# Altium PCB S7CAS-PLEIADES-CARTE-FILLE_P02.PcbDoc (part 1 of 3) (continued)
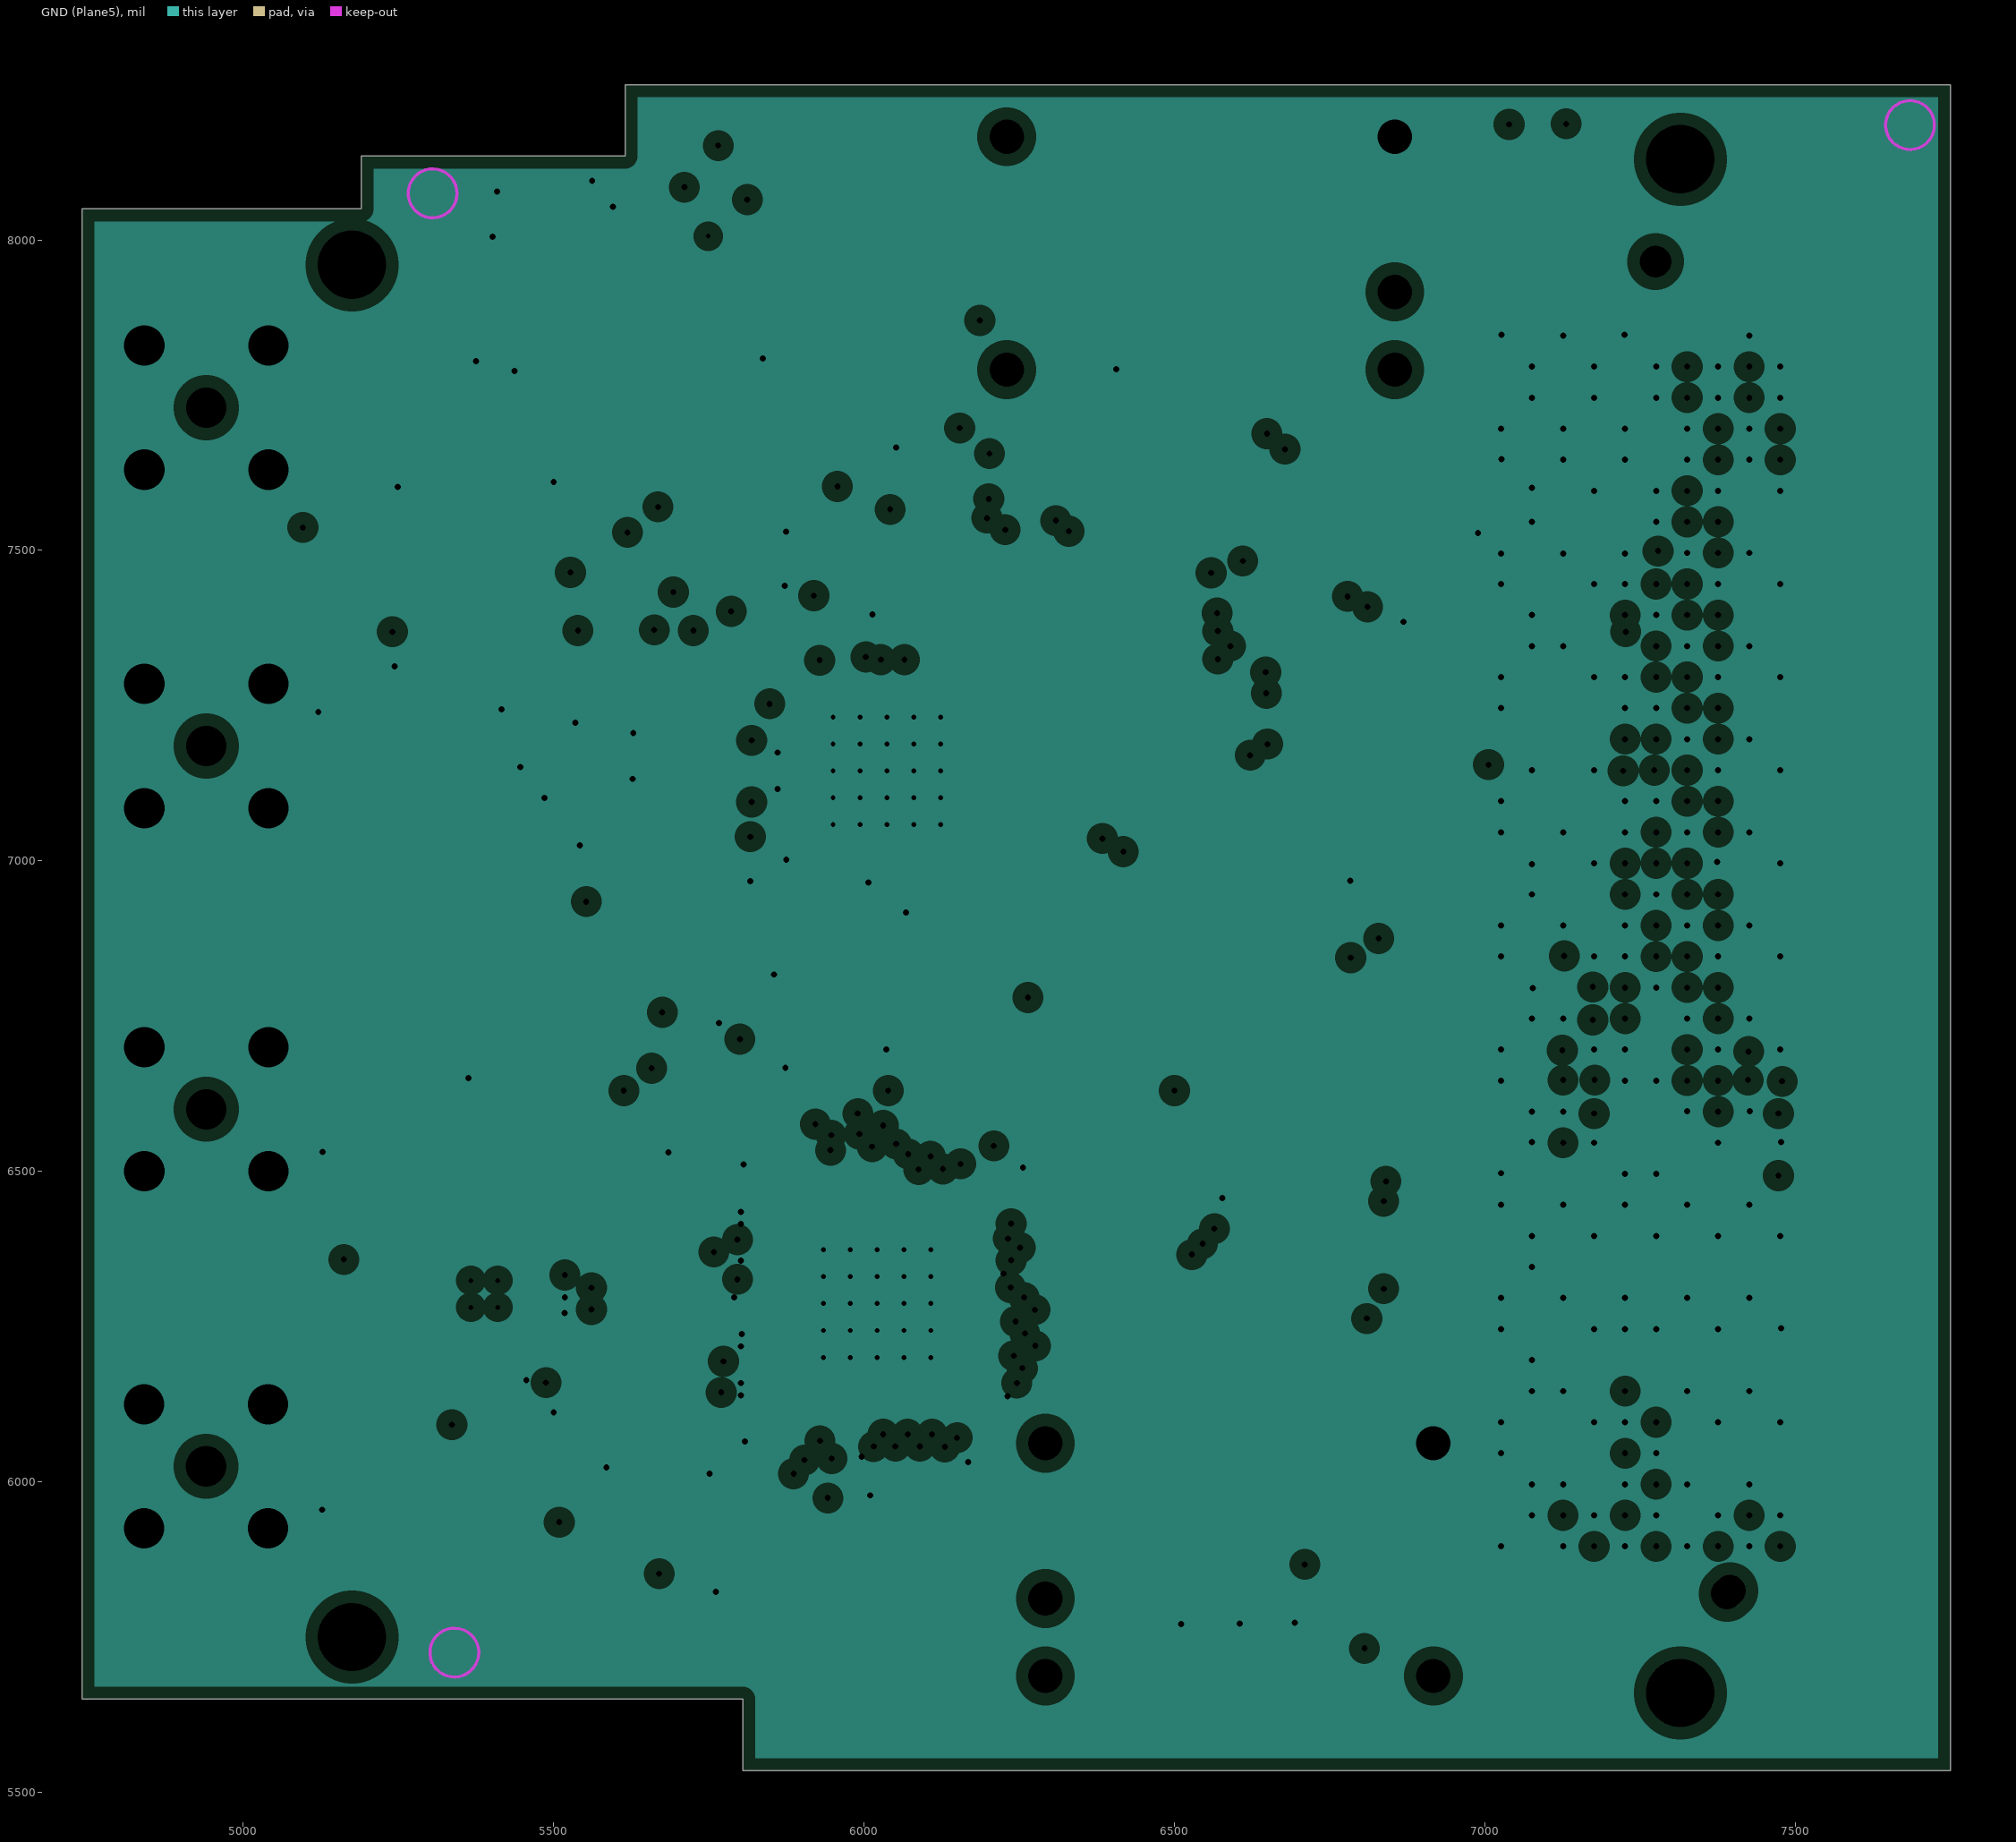
[diagram p7: GND (Plane5), clearances drawn from the general rule]
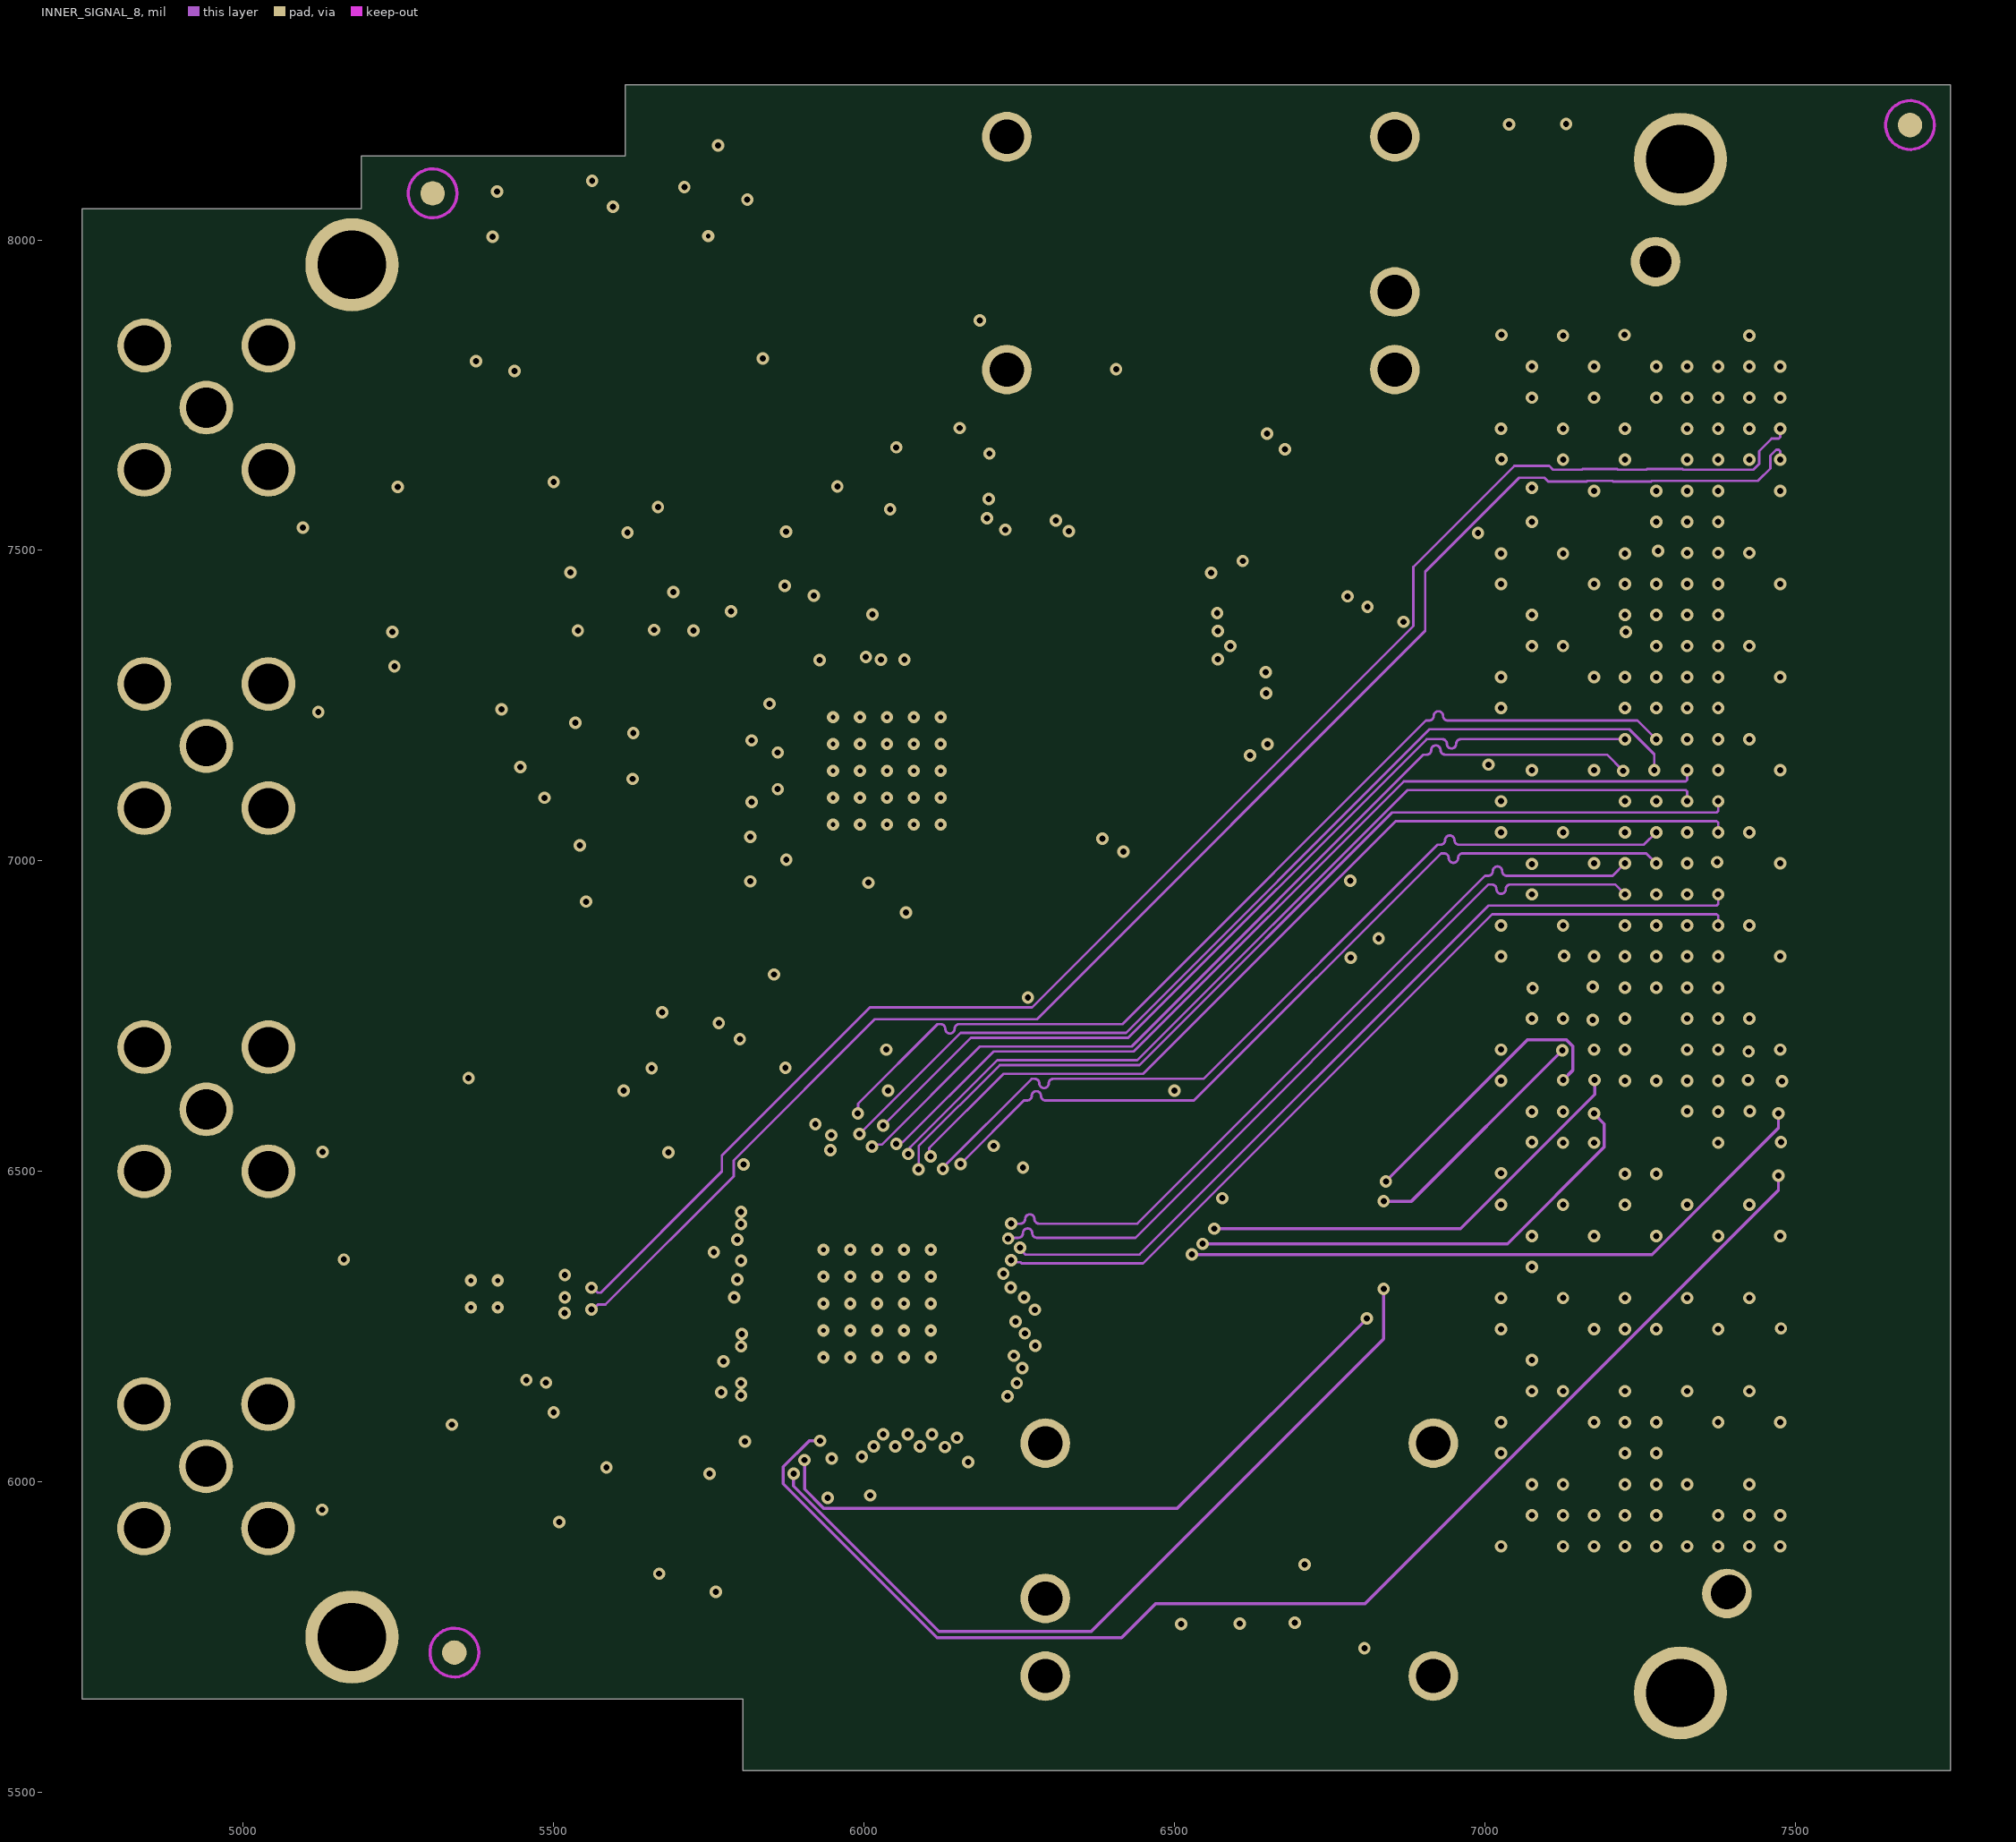
[diagram p8: INNER_SIGNAL_8]
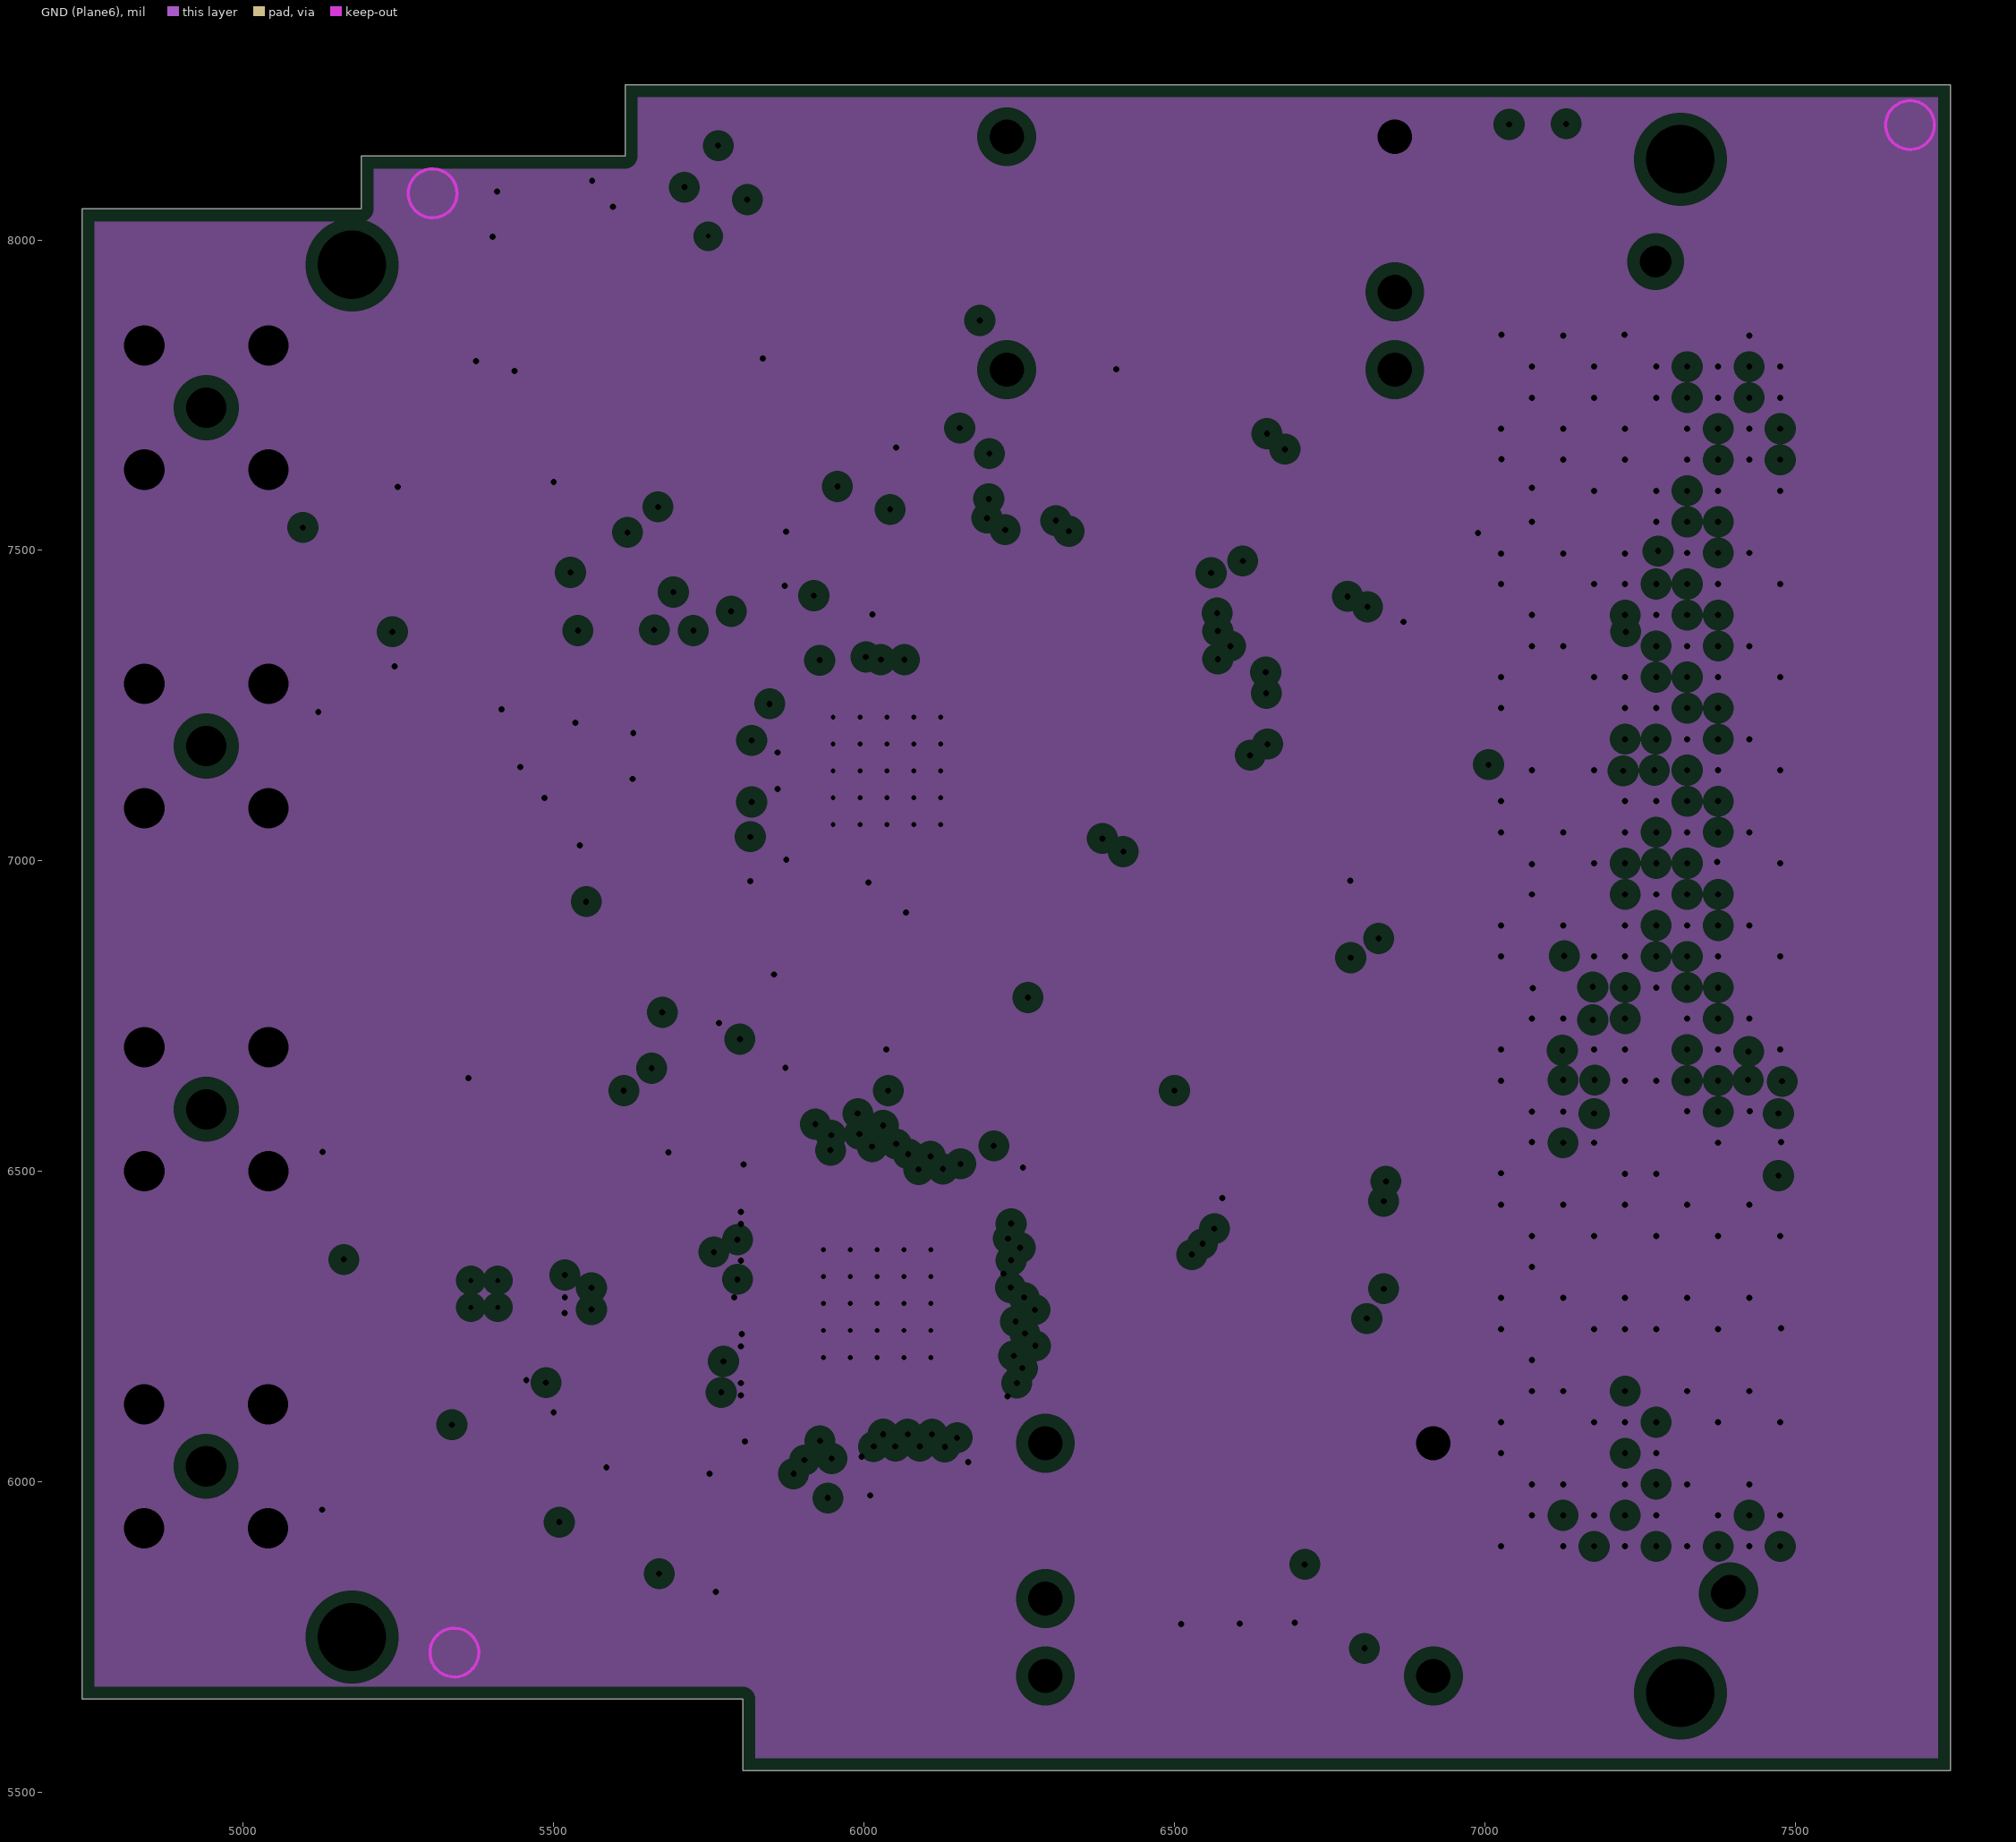
[diagram p9: GND (Plane6), clearances drawn from the general rule]
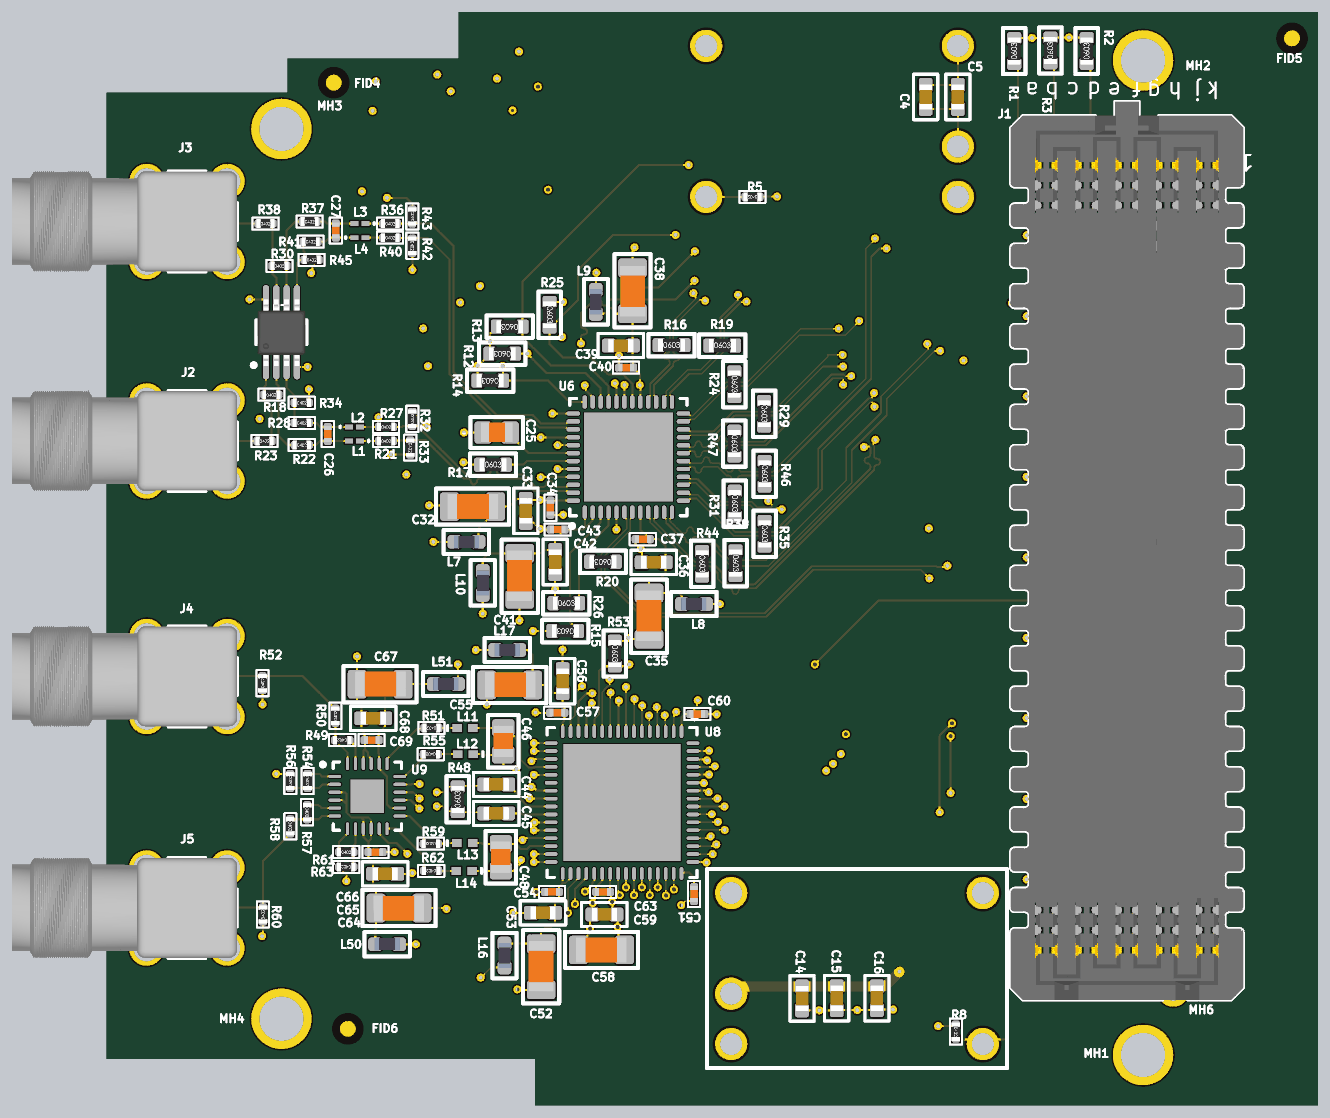
[diagram p12: 3D render of the assembled board from above, using the file's embedded part models]
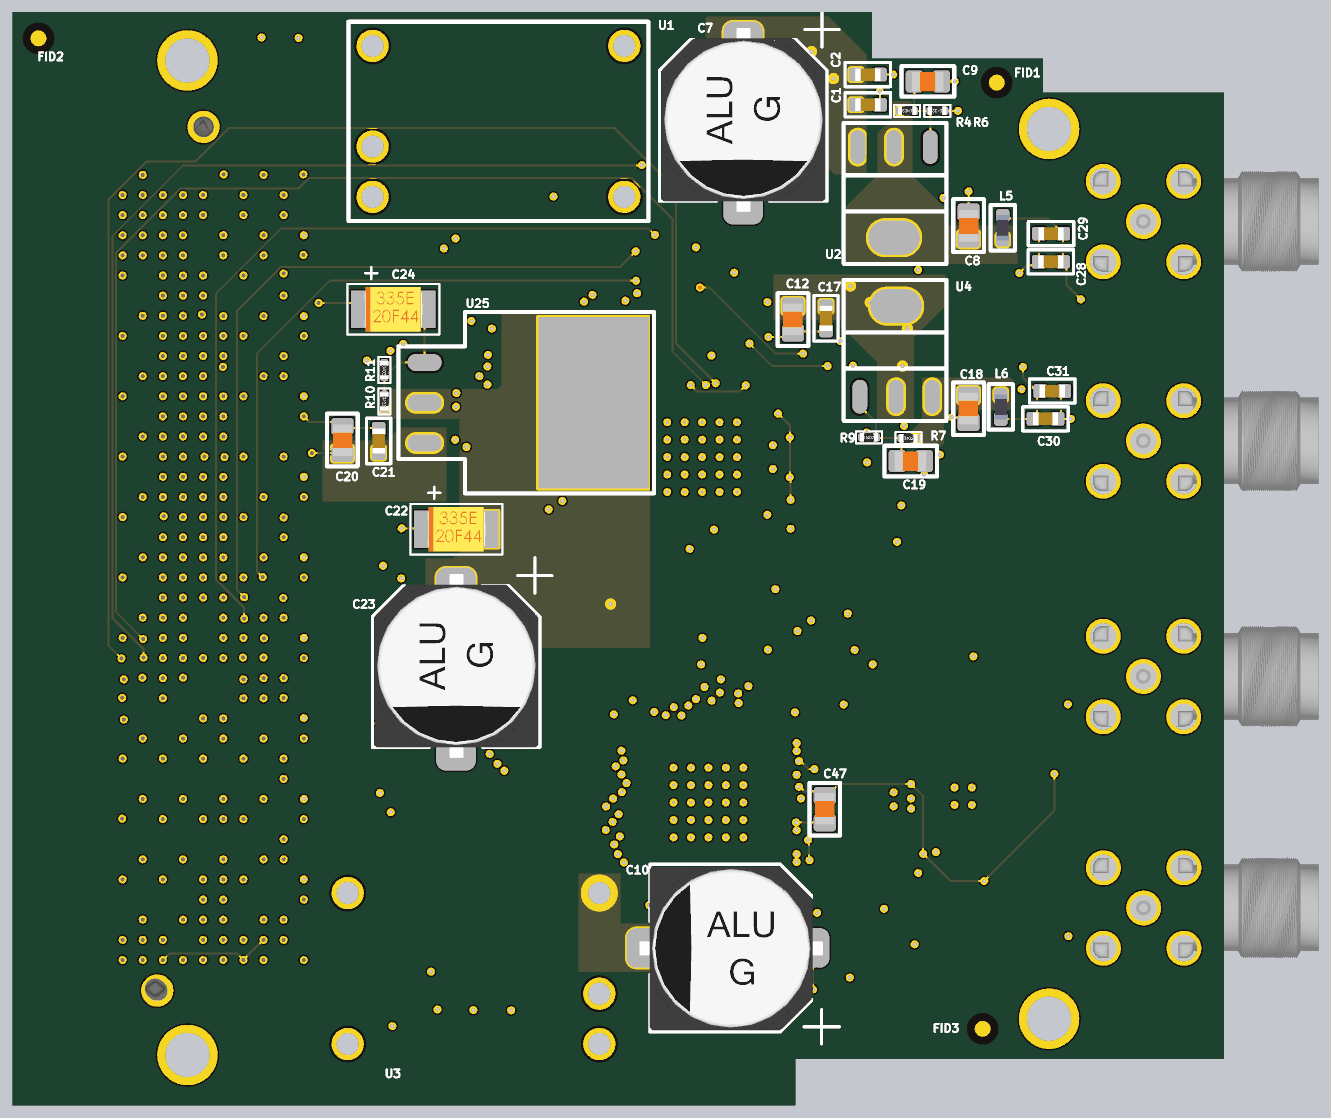
[diagram p13: 3D render of the assembled board from below, using the file's embedded part models]

## Layer stack, top to bottom
Top Solder: solder mask 0.4, Solder Resist, Dk 3.5
SIGNAL_TOP: signal copper 1.4
Dielectric 1: core 5, FR-4, Dk 4.2
GND: plane copper 0.7, net GND
Dielectric 2: prepreg 7, FR-4, Dk 4.2
INNER_SIGNAL_3: signal copper 0.7
Dielectric 6: core 5, FR-4, Dk 4.2
GND (Plane2): plane copper 0.7, net GND
Dielectric 7: prepreg 5, FR-4, Dk 4.2
3V3: plane copper 0.7, net 3P3V
Dielectric 3: prepreg 10, FR-4, Dk 4.2
SPLIT_POWER: plane copper 0.7, net (Multiple Nets)
Dielectric 4: prepreg 3.4, FR-4, Dk 4.2
GND (Plane5): plane copper 0.7, net GND
Dielectric 5: core 5, FR-4, Dk 4.2
INNER_SIGNAL_8: signal copper 0.7
Dielectric 8: prepreg 7, FR-4, Dk 4.2
GND (Plane6): plane copper 0.7, net GND
Dielectric 9: core 0.7, FR-4, Dk 4.2
SIGNAL_BOTTOM: signal copper 1.4
Bottom Solder: solder mask 0.4, Solder Resist, Dk 3.5

## Board outline
4740,5650 5805,5650 5805,5535 7750,5535 7750,8250 5615,8250 5615,8135 5190,8135 5190,8050 4740,8050

## Design rules (kind name [scope] priority, off if disabled: settings)
Clearance [All] p1: gap=4 ignorepadtopadclearanceinfootprint=FALSE except(0: Arc-Hole Track-Hole SMDPad-Hole THPad-Hole Via-Hole Fill-Hole Poly-Hole Region-Hole Text-Hole)
DiffPairsRouting [All] p1: maxlimit=20 minlimit=4 mostfreqgap=15 toplayer_maxgap=7 toplayer_prefgap=5 toplayer_minwidth=4 toplayer_maxwidth=4 toplayer_prefwidth=4 midlayer5_mingap=10 midlayer5_minwidth=4 midlayer5_maxwidth=4 midlayer5_prefwidth=4 midlayer7_mingap=10 midlayer7_minwidth=4 midlayer7_maxwidth=4 midlayer7_prefwidth=4 bottomlayer_mingap=5 bottomlayer_maxgap=7 bottomlayer_prefgap=5 bottomlayer_minwidth=4 bottomlayer_maxwidth=4 bottomlayer_prefwidth=4 maxuncoupledlength=500
MatchedLengths [All] p1: tolerance=0.1 checknetsindiffpair=TRUE checkdiffpairvsdiffpair=FALSE checkxsignals=FALSE checkothers=FALSE
PlaneClearance [All] p1: clearance=20
PlaneConnect [All] p1: planeconnectstyle=Direct reliefexpansion=20 reliefentries=4 reliefconductorwidth=10 reliefairgap=10
PolygonConnect [All] p1: connectstyle=Direct reliefconductorwidth=10 reliefentries=4 polygonreliefangle="90 Angle" airgapwidth=10
RoutingVias [All] p1: holewidth=10 width=20 viastyle="Through Hole" minholewidth=10 minwidth=20 maxholewidth=10 maxwidth=20
SMDEntry [All] p1: side=TRUE corner=TRUE anyangle=FALSE
SolderMaskExpansion [All] p1: expansion=4
Width [All] p1: maxlimit=8 minlimit=3 preferedwidth=5
27 further rules are at their usual default settings.
